# Altium PCB main_board.PcbDoc (part 1 of 2)
Units mil, origin at the board's own origin, x right, y up, seen from the top; angles counter-clockwise.
Board outline 11417.32 x 7421.26 mil, 2 copper layers (Top Layer, Bottom Layer); 174 components, 105 nets, 890 pads, 524 vias.
Unrouted connection lines stored in the file: 1.
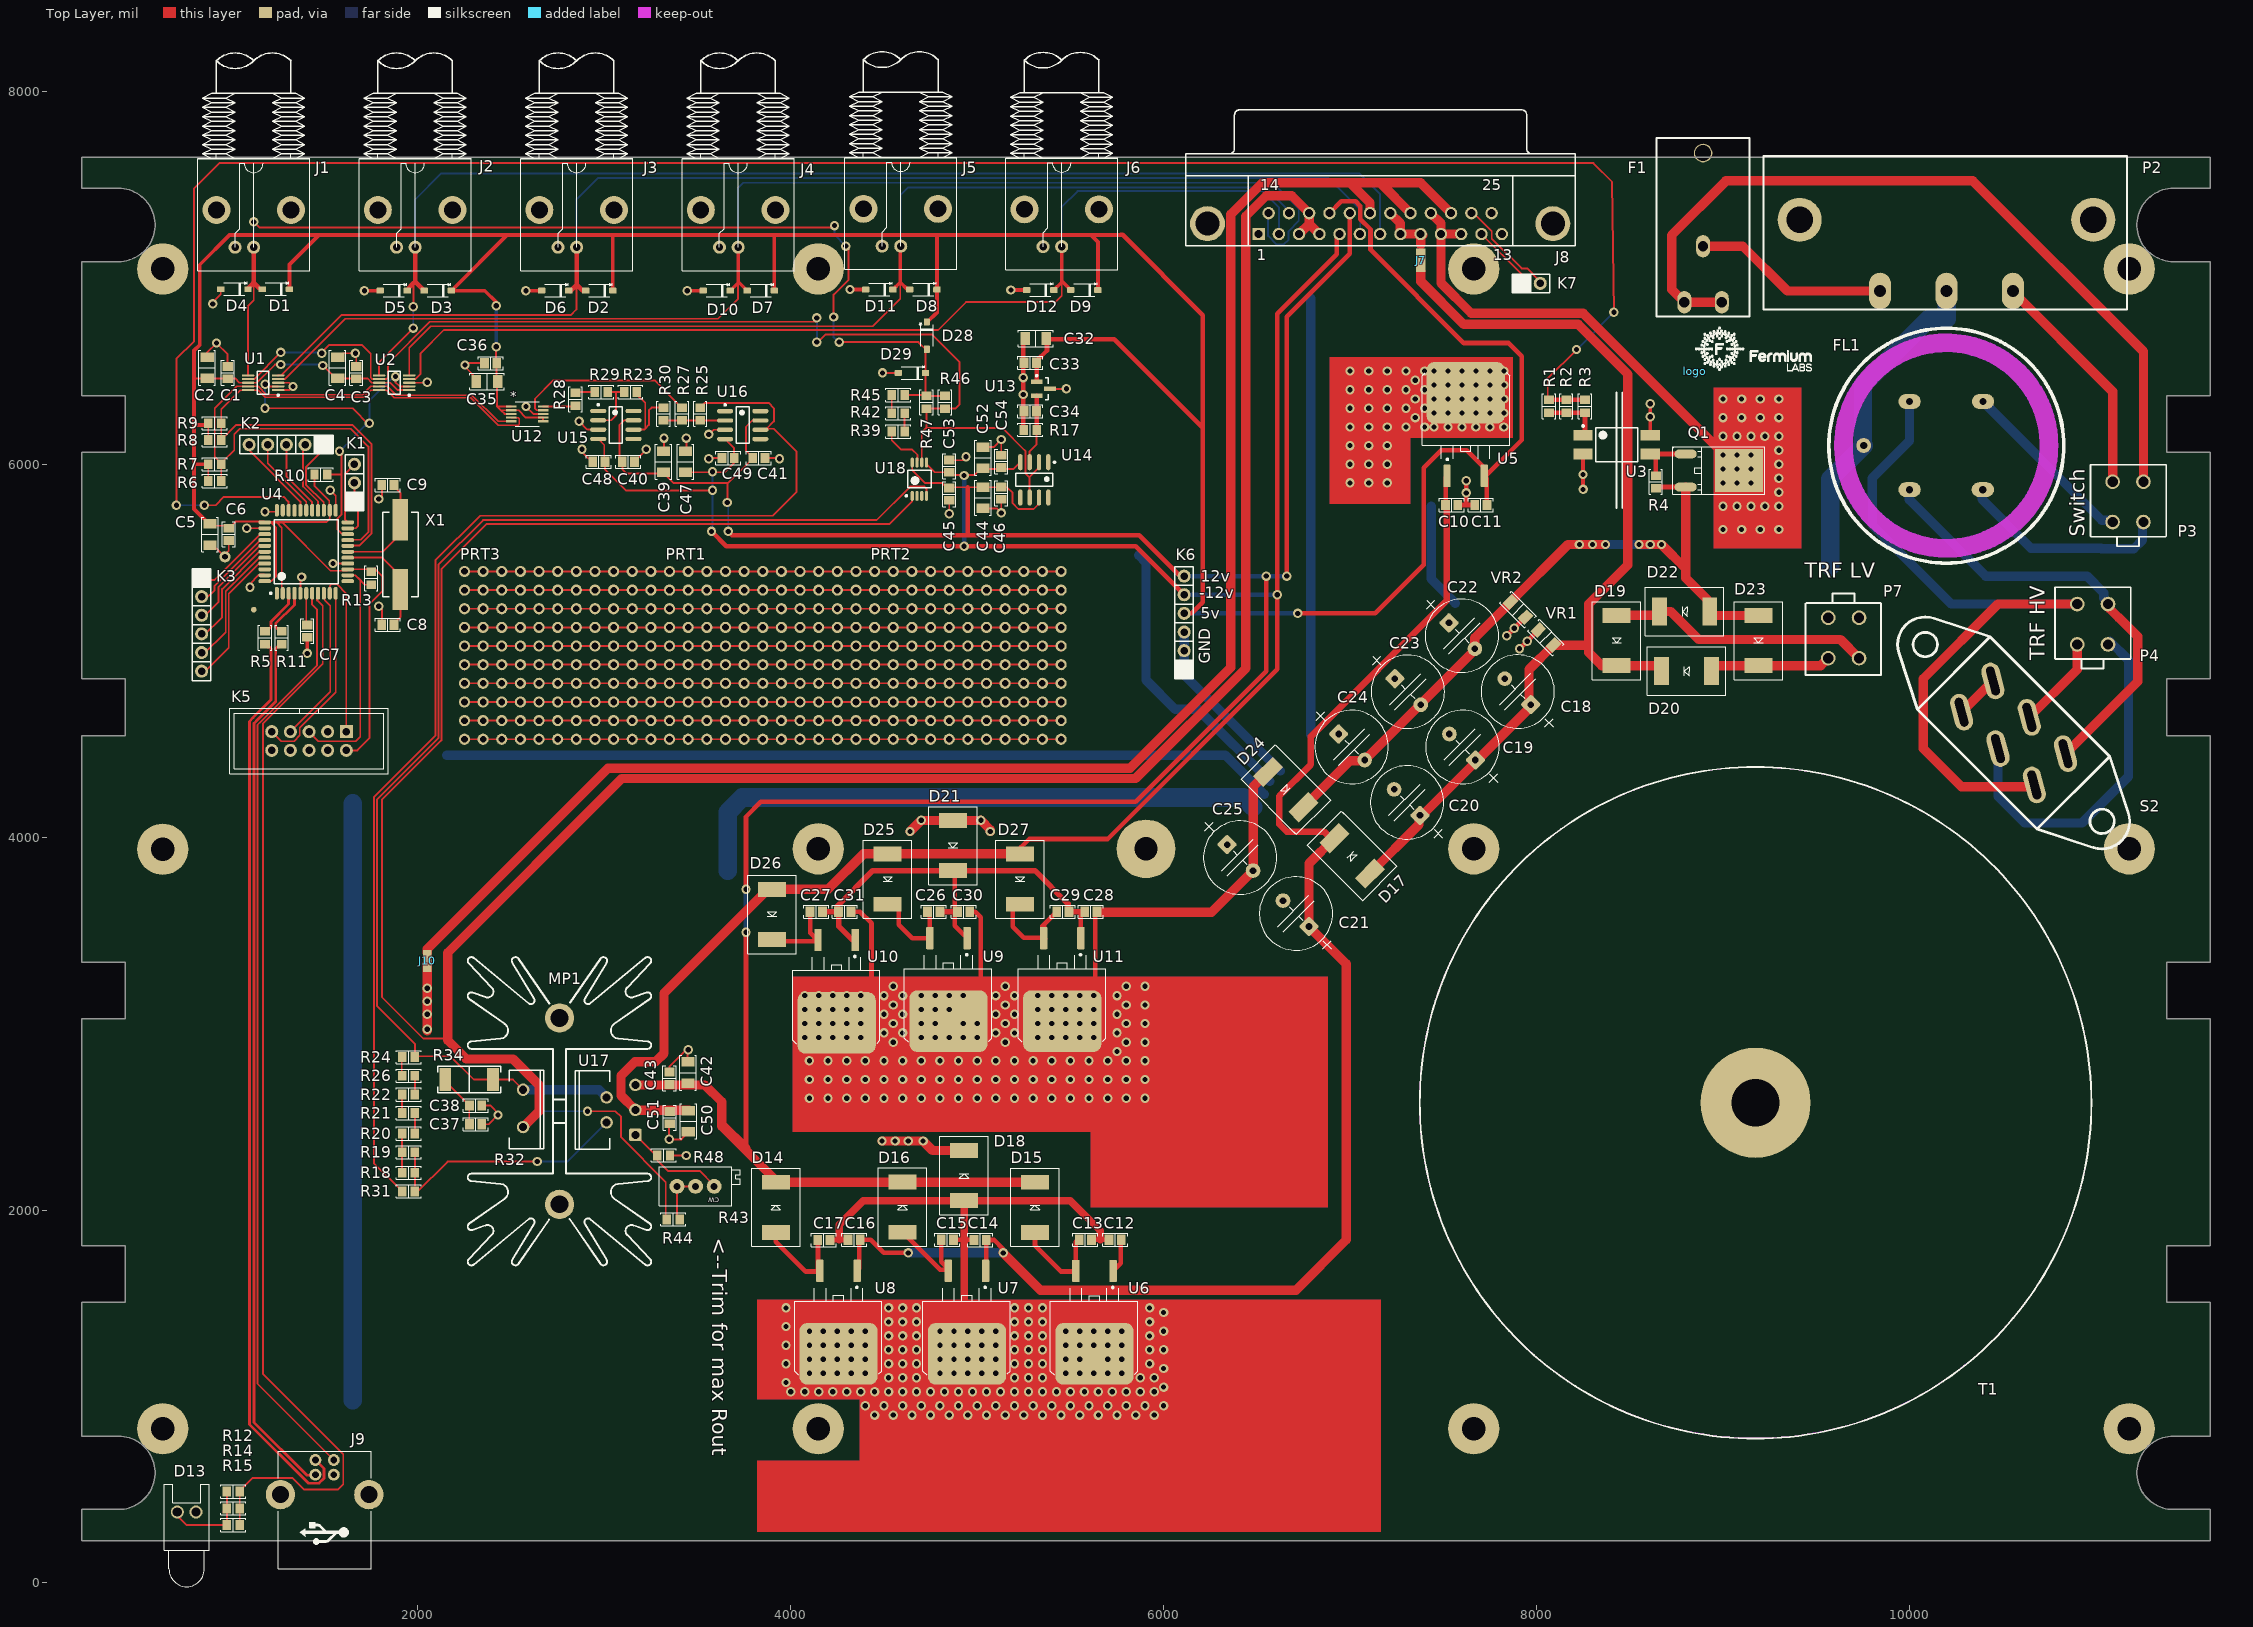
[diagram p0: Top Layer view]
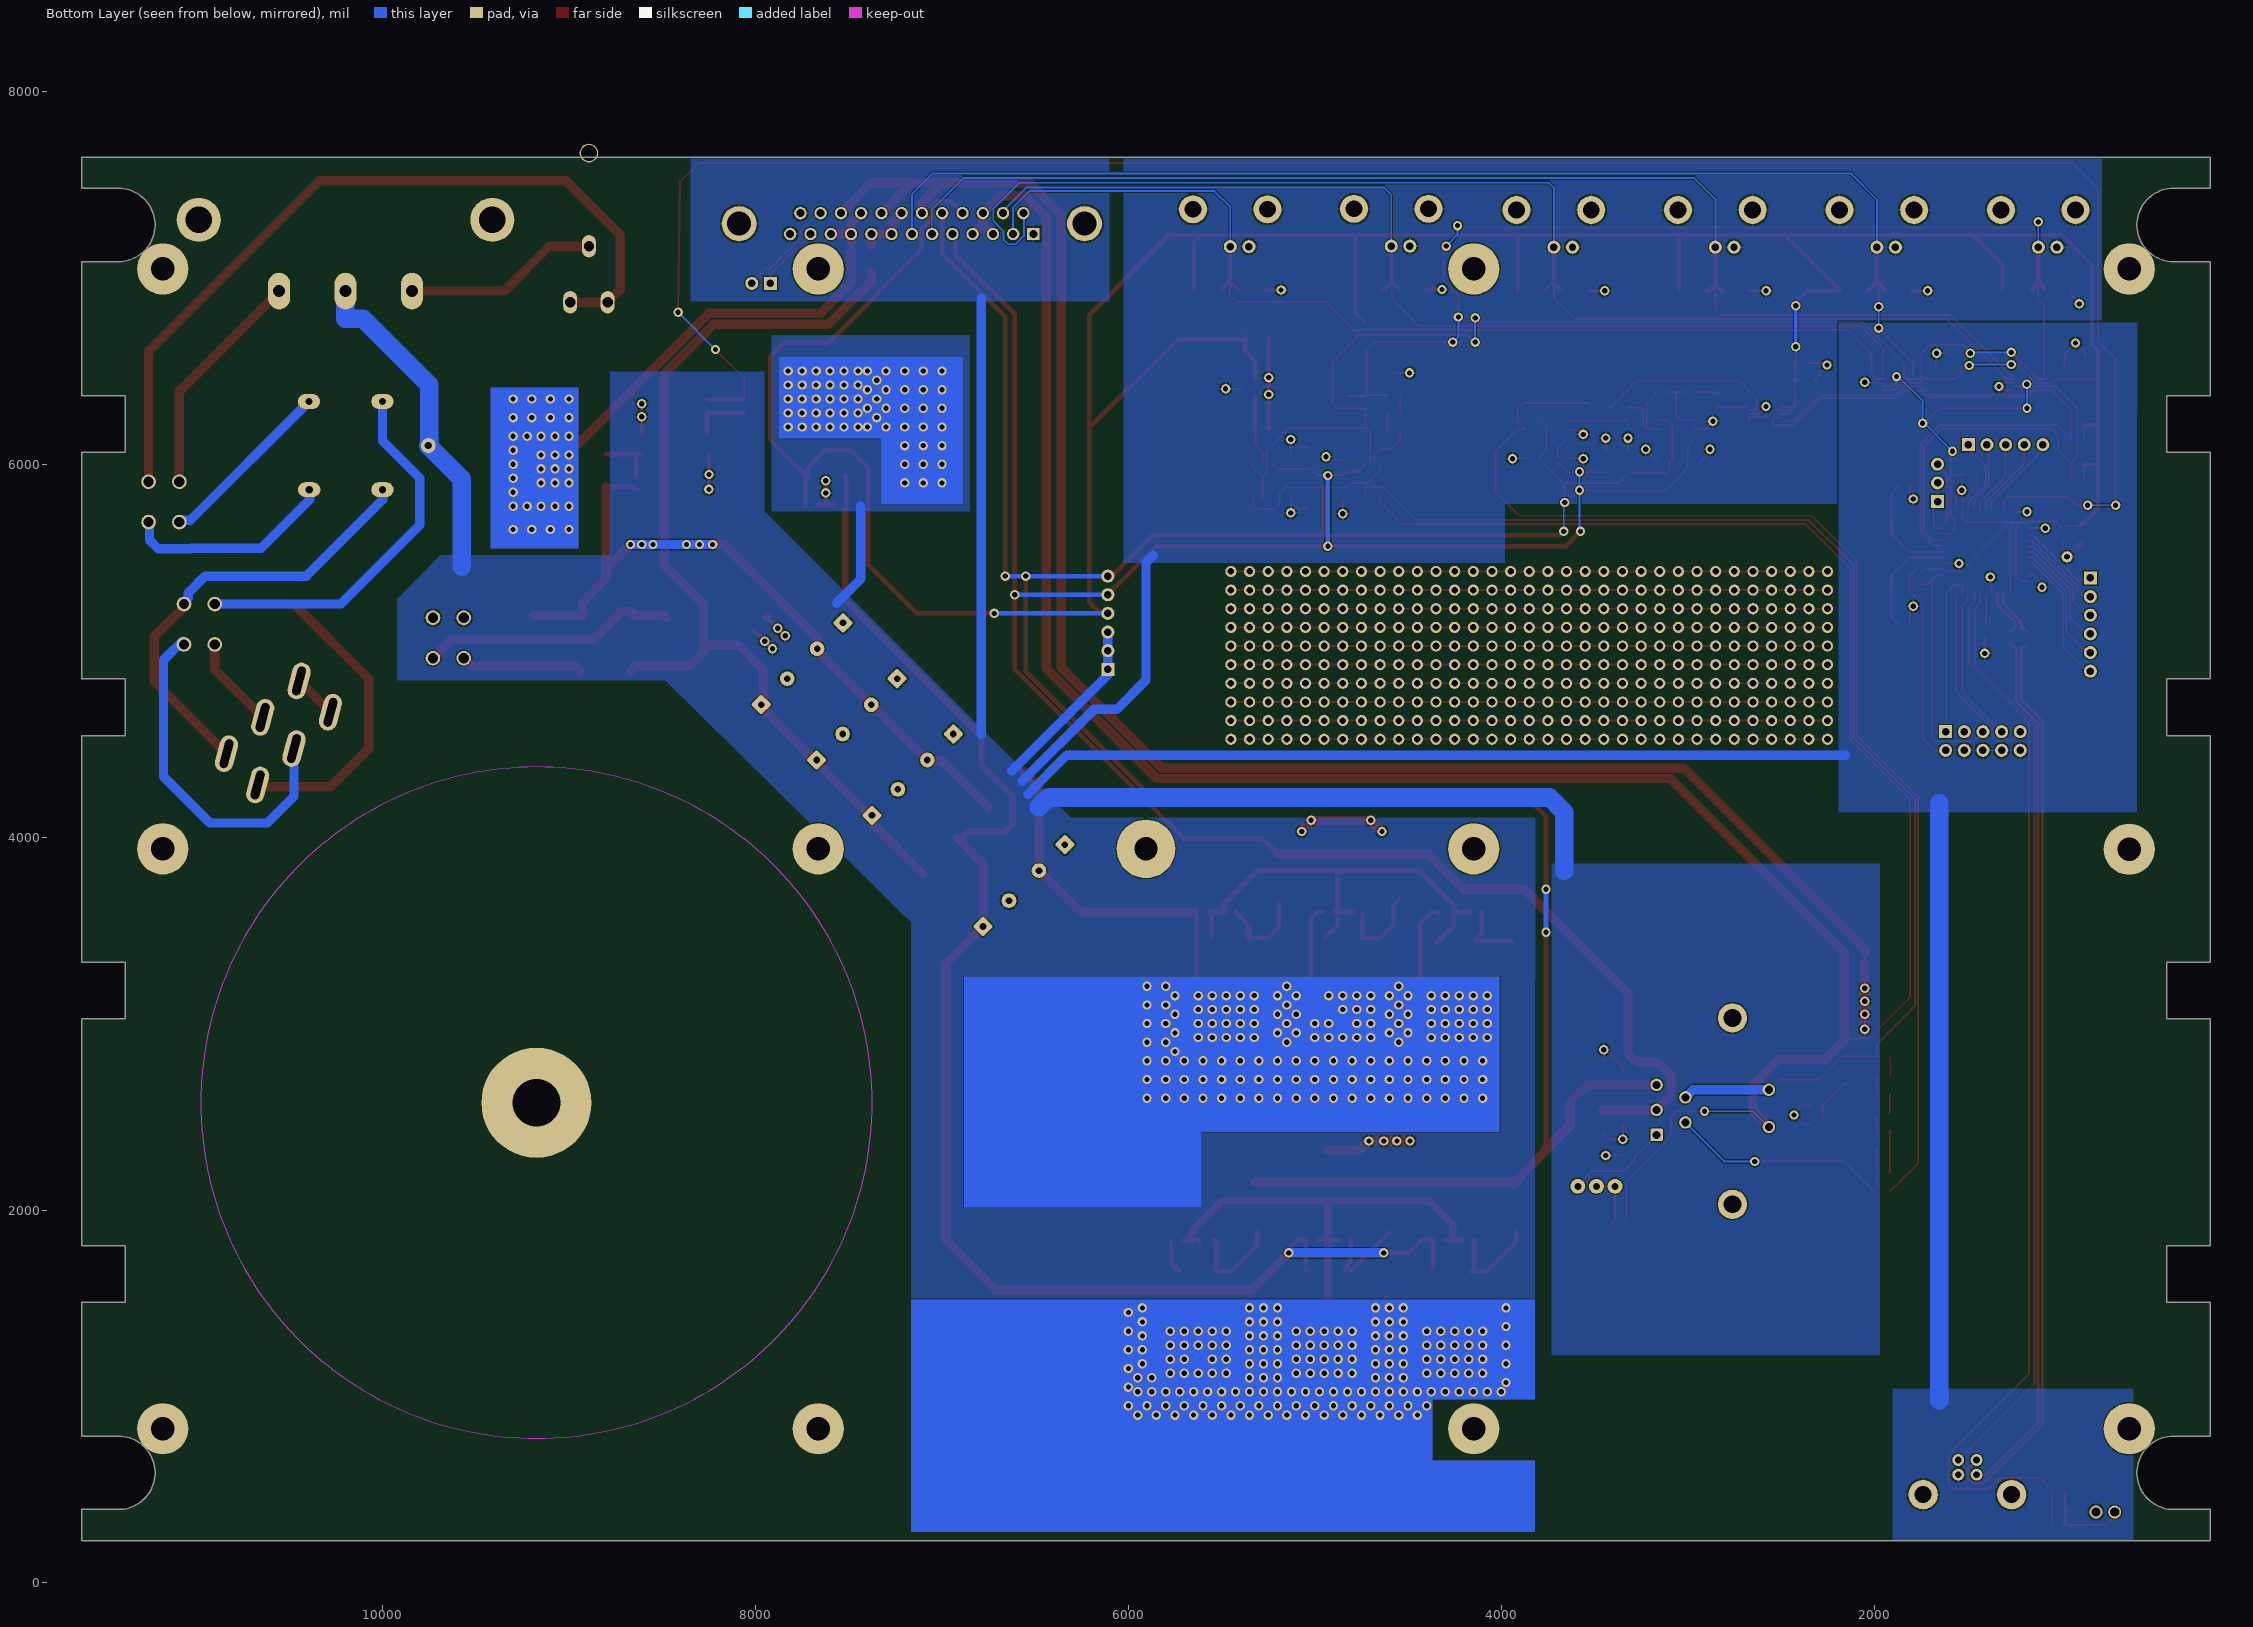
[diagram p1: Bottom Layer view, seen from below]
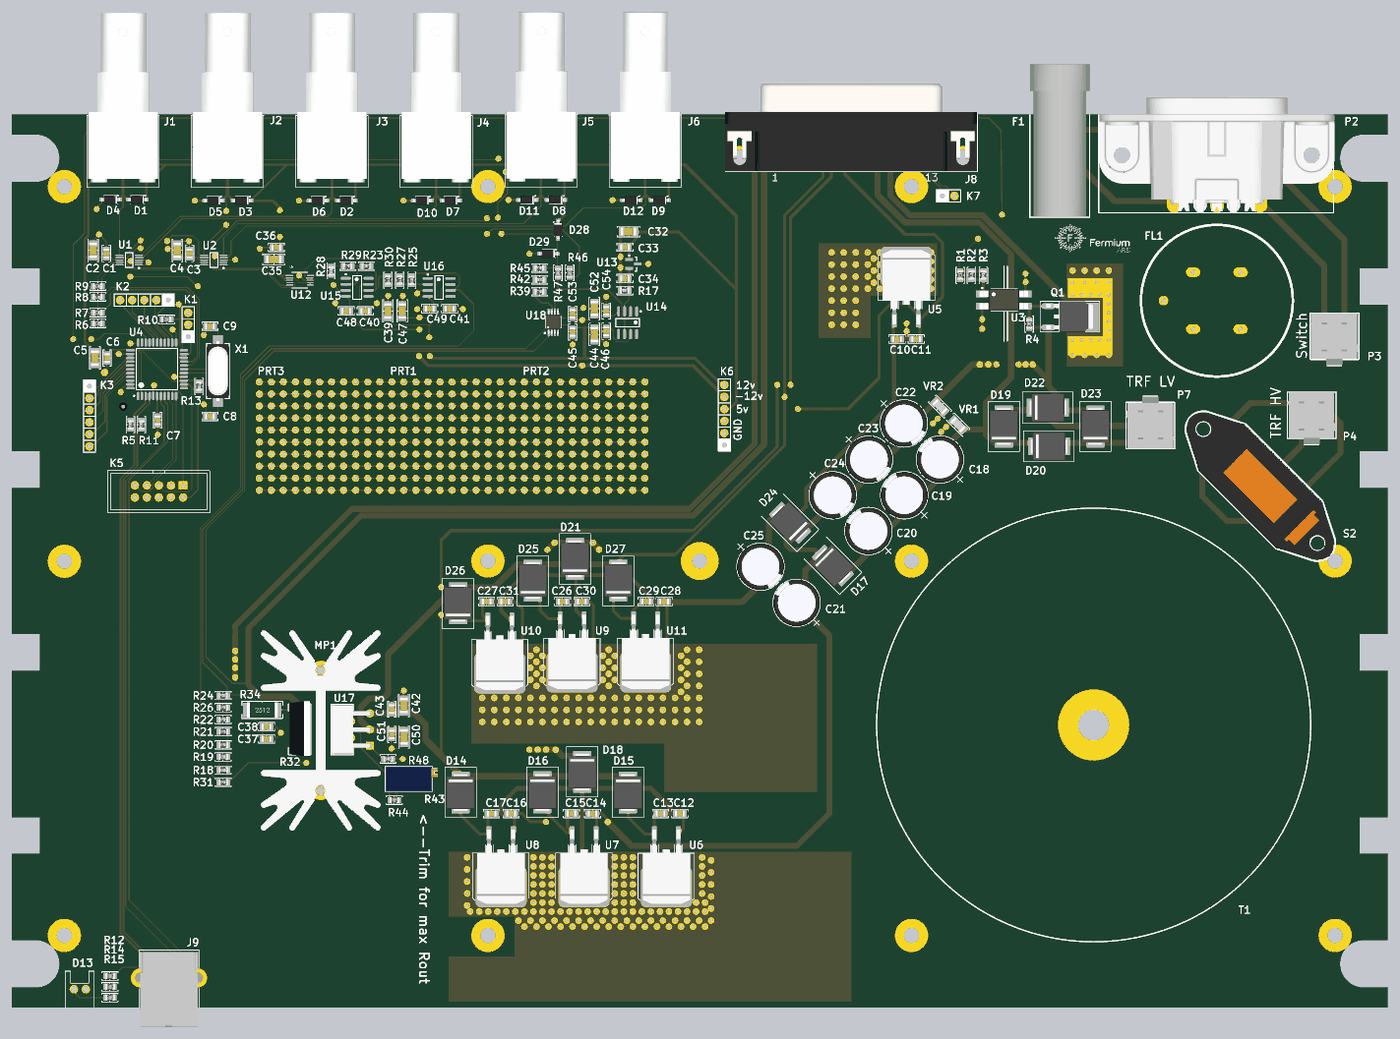
[diagram p3: 3D render of the assembled board from above, using the file's embedded part models]

## Layer stack, top to bottom
Top Solder: solder mask 0.4, Solder Resist, Dk 3.5
Top Layer: signal copper 1.4
Dielectric 1: dielectric 12.6, FR-4, Dk 4.8
Bottom Layer: signal copper 1.4
Bottom Solder: solder mask 0.4, Solder Resist, Dk 3.5

## Board outline
196.85,787.4 196.85,1505.48 429.99,1505.48 429.99,1809.49 196.85,1809.49 196.85,3025.16 429.99,3025.16 429.99,3329.17 196.85,3329.17 196.85,4544.85 429.99,4544.85 429.99,4848.86 196.85,4848.86 196.85,6064.53 429.99,6064.53 429.99,6368.54 196.85,6368.54 196.85,7086.61 393.7,7086.61 ccw(c393.7,7283.46) 393.7,7480.31 196.85,7480.31 196.85,7647.64 11614.17,7647.64 11614.17,7480.31 11417.32,7480.31 ccw(c11417.32,7283.46) 11417.32,7086.61 11614.17,7086.61 11614.17,6368.54 11381.03,6368.54 11381.03,6064.53 11614.17,6064.53 11614.17,4848.86 11381.03,4848.86 11381.03,4544.85 11614.17,4544.85 11614.17,3329.17 11381.03,3329.17 11381.03,3025.16 11614.17,3025.16 11614.17,1809.49 11381.03,1809.49 11381.03,1505.48 11614.17,1505.48 11614.17,787.4 11417.32,787.4 ccw(c11417.32,590.55) 11417.32,393.7 11614.17,393.7 11614.17,226.38 196.85,226.38 196.85,393.7 393.7,393.7 ccw(c393.7,590.55) 393.7,787.4

## Design rules (kind name [scope] priority, off if disabled: settings)
Clearance "Schematic Clearance Constraint_7" [InNet('NetFL1_1')] p1: gap=78.74 ignorepadtopadclearanceinfootprint=FALSE
Clearance "Schematic Clearance Constraint_6" [InNet('NetF1_1')] p2: gap=78.74 ignorepadtopadclearanceinfootprint=FALSE
Clearance "Schematic Clearance Constraint_5" [InNet('NetP4_3')] p3: gap=78.74 ignorepadtopadclearanceinfootprint=FALSE
Clearance "Schematic Clearance Constraint_4" [InNet('NetP4_4')] p4: gap=78.74 ignorepadtopadclearanceinfootprint=FALSE
Clearance "Schematic Clearance Constraint_3" [InNet('NetFL1_5')] p5: gap=78.74 ignorepadtopadclearanceinfootprint=FALSE
Clearance "Schematic Clearance Constraint_2" [InNet('NetFL1_2')] p6: gap=78.74 ignorepadtopadclearanceinfootprint=FALSE
Clearance "Schematic Clearance Constraint_1" [InNet('NetP2_3')] p7: gap=78.74 ignorepadtopadclearanceinfootprint=FALSE
Clearance "Schematic Clearance Constraint" [InNet('NetFL1_4')] p8: gap=78.74 ignorepadtopadclearanceinfootprint=FALSE
Clearance [All] p9: gap=6 ignorepadtopadclearanceinfootprint=FALSE
DiffPairsRouting [All] p1: maxlimit=10 minlimit=10 mostfreqgap=10 toplayer_minwidth=15 toplayer_maxwidth=15 toplayer_prefwidth=15 bottomlayer_minwidth=15 bottomlayer_maxwidth=15 bottomlayer_prefwidth=15 maxuncoupledlength=500
FanoutControl Fanout_LCC [All] p1 off: bgadir=Out bgaviamode=Centered fanoutstyle=Auto fanoutdirection=Alternating viagrid=1 // Protel DXP Scope 1 Expression Was: IsLCC   Fanout_LCC (Default Rule)
FanoutControl Fanout_BGA [All] p2 off: bgadir=Out bgaviamode=Centered fanoutstyle=Auto fanoutdirection=Alternating viagrid=1 // Protel DXP Scope 1 Expression Was: IsBGA   Fanout_BGA (Default Rule)
FanoutControl Fanout_SOIC [All] p3 off: bgadir=Out bgaviamode=Centered fanoutstyle=Auto fanoutdirection=Alternating viagrid=1 // Protel DXP Scope 1 Expression Was: IsSOIC   Fanout_SOIC (Default Rule)
FanoutControl Fanout_Default [All] p4: bgadir=Out bgaviamode=Centered fanoutstyle=Auto fanoutdirection=Alternating viagrid=1 // Fanout_Default (Default Rule)
FanoutControl Fanout_Small [All] p5 off: bgadir=Out bgaviamode=Centered fanoutstyle=Auto fanoutdirection=Alternating viagrid=1 // Protel DXP Scope 1 Expression Was: (CompPinCount < 5)   Fanout_Small (Default Rule)
Height [All] p1: minheight=0 maxheight=3937.01 prefheight=10
HoleSize [All] p1: absolutevalues=TRUE maxlimit=99999 minlimit=11.81 maxpercent=80.000 minpercent=20.000
MinimumSolderMaskSliver [All] p1: minsoldermaskwidth=7.87
PolygonConnect [All] p1: connectstyle=Relief reliefconductorwidth=10 reliefentries=4 polygonreliefangle="90 Angle" airgapwidth=10
RoutingVias [All] p1: holewidth=28 width=50 viastyle="Through Hole" minholewidth=28 minwidth=50 maxholewidth=28 maxwidth=50
SilkToSilkClearance [All] p1: silktosilkclearance=7.87
SilkToSolderMaskClearance [All] p1 off: minsilkscreentomaskgap=10 clearancetoexposedcopper=TRUE // Protel DXP Scope 1 Expression Was: IsPad
SolderMaskExpansion [All] p1: expansion=2
Width [All] p1: maxlimit=200 minlimit=6 preferedwidth=10
19 further rules are at their usual default settings.

## Classes and differential pairs
component class power_input: F1 FL1 MP1 P2 P3 P4 P7 P8 S1 S2 T1
component class main_board: J8 logo
component class cc_gen_and_heat_pwr: C32 C33 C34 C35 C36 C37 C38 C39 C40 C41 C42 C43 C44 C45 C46 C47 C48 C49 C50 C51 C52 C53 C54 D28 D29 J10 MP1 R17 R18 R19 R20 R21 R22 R23 R24 R25 R26 R27 R28 R29 R30 R31 R32 R34 R39 R42 R43 R44 R45 R46 R47 R48 R? Text U12 U13 U14 U15 U16 U17 U18
component class bncs: D1 D2 D3 D4 D5 D6 D7 D8 D9 D10 D11 D12 J1 J2 J3 J4 J5 J6
component class mcu: 10 C1 C2 C3 C4 C5 C6 C7 C8 C9 D13 J7 J9 K1 K2 K3 K5 Q1 R1 R2 R3 R4 R5 R6 R7 R8 R9 R10 R11 R12 R13 R14 R15 U1 U2 U3 U4 X1
component class power_supply: 45 C10 C11 C12 C13 C14 C15 C16 C17 C18 C19 C20 C21 C22 C23 C24 C25 C26 C27 C28 C29 C30 C31 D14 D15 D17 D18 D19 D20 D21 D22 D23 D24 D25 D26 D27 P8 S1 U5 U6 U7 U8 U9 U10 U11 U19 VR1 VR2
component class protoboard: K6 K7 PRT1 PRT2 PRT3
differential pair USBD: +USBD_P -USBD_N
differential pair XTAL: +XTAL_P -XTAL_N
differential pair D: +D_P -D_N

## Components (designator, comment, footprint, x,y, rotation, side; value= is the part's Value field where it differs from the comment)
C1 "" "CAP 0805/2012" 980,6491.5 r90 top
C2 "" "CAP 1206/3216" 870,6517.09 r90 top
C3 "" "CAP 0805/2012" 1670,6491.5 r90 top
C4 "" "CAP 1206/3216" 1570,6517.09 r90 top
C5 "" "CAP 1206/3216" 885.47,5623.5 r270 top
C6 "" "CAP 0805/2012" 985.47,5623.5 r270 top
C7 "" "CAP 0805/2012" 1406.5,5105.47 r90 top
C8 "" "CAP 0805/2012" 1839.76,5138.66 r180 top
C9 "" "CAP 0805/2012" 1839.76,5888.66 r180 top
C10 "" "CAP 0805/2012" 7544.29,5781.34 r0 top
C11 "" "CAP 0805/2012" 7701.77,5781.34 r180 top
C12 "" "CAP 0805/2012" 5740,1840 r180 top
C13 "" "CAP 0805/2012" 5580,1840 r0 top
C14 "" "CAP 0805/2012" 5015.79,1839.06 r180 top
C15 "" "CAP 0805/2012" 4840,1840 r0 top
C16 "" "CAP 0805/2012" 4340,1840 r180 top
C17 "" "CAP 0805/2012" 4177.83,1839.06 r0 top
C18 "" CAPE5.0mm 7899.6,4780.4 r135 top
C19 "" CAPE5.0mm 7602.61,4483.42 r135 top
C20 "" CAPE5.0mm 7305.63,4186.43 r135 top
C21 "" CAPE5.0mm 6710,3590 r135 top
C22 "" CAPE5.0mm 7600,5080 r315 top
C23 "" CAPE5.0mm 7310,4780 r315 top
C24 "" CAPE5.0mm 7008.64,4483.42 r315 top
C25 "" CAPE5.0mm 6410,3890 r315 top
C26 "" "CAP 0805/2012" 4767,3600 r180 top
C27 "" "CAP 0805/2012" 4137,3600 r180 top
C28 "" "CAP 0805/2012" 5610,3600 r0 top
C29 "" "CAP 0805/2012" 5460,3600 r180 top
C30 "" "CAP 0805/2012" 4927,3600 r0 top
C31 "" "CAP 0805/2012" 4290,3600 r0 top
C32 "" "CAP 1206/3216" 5314.63,6674.27 r180 top
C33 "" "CAP 0805/2012" 5284.63,6544.27 r180 top
C34 "" "CAP 0805/2012" 5284.63,6284.27 r180 top
C35 "Cap2" "CAP 1206/3216" 2370.94,6443.78 r180 top value=10uF
C36 "" "CAP 0805/2012" 2390.63,6542.2 r180 top
C37 "" "CAP 0805/2012" 2310,2460 r0 top
C38 "" "CAP 0805/2012" 2310,2560 r0 top
C39 "Cap2" "CAP 1206/3216" 3317.87,6013.78 r90 top value=10uF
C40 "" "CAP 0805/2012" 3128.9,6013.78 r0 top
C41 "" "CAP 0805/2012" 3829.69,6033.46 r0 top
C42 "Cap2" "CAP 1206/3216" 3449.5,2737 r90 top value=10uF
C43 "" "CAP 0805/2012" 3349.5,2707 r90 top
C44 "Cap2" "CAP 1206/3216" 5030.94,5819.84 r270 top value=10uF
C45 "" "CAP 0805/2012" 4850,5840 r270 top
C46 "" "CAP 0805/2012" 5129.37,5845.43 r270 top
C47 "Cap2" "CAP 1206/3216" 3435.98,6013.78 r270 top value=10uF
C48 "" "CAP 0805/2012" 2971.42,6013.78 r0 top
C49 "" "CAP 0805/2012" 3664.33,6033.46 r0 top
C50 "Cap2" "CAP 1206/3216" 3450.5,2476 r90 top value=10uF
C51 "" "CAP 0805/2012" 3350.5,2496 r90 top
C52 "Cap2" "CAP 1206/3216" 5030.94,6034.41 r270 top value=10uF
C53 "" "CAP 0805/2012" 4850,5990 r270 top
C54 "" "CAP 0805/2012" 5129.37,6014.72 r270 top
D1 "" SOD123 1238.27,6938.82 r180 top
D2 "" SOD123 2973.07,6931.02 r180 top
D3 "" SOD123 2106.93,6931.02 r180 top
D4 "" SOD123 1015.83,6938.82 r180 top
D5 "" SOD123 1870.71,6931.02 r180 top
D6 "" SOD123 2736.85,6931.02 r180 top
D7 "" SOD123 3839.21,6931.02 r180 top
D8 "" SOD123 4711.26,6936.93 r180 top
D9 "" SOD123 5574.65,6934.17 r180 top
D10 "" SOD123 3602.99,6931.02 r180 top
D11 "" SOD123 4475.04,6936.93 r180 top
D12 "" SOD123 5338.42,6934.17 r180 top
D13 "" LED-0 760,380 r0 top
D14 "" DIODE-SMC 3920,1860.32 r270 top
D15 "" DIODE-SMC 5310,1860.32 r270 top
D16 "" DIODE-SMC 4600,1861.26 r270 top
D17 "" DIODE-SMC 7120,3790 r315 top
D18 "" DIODE-SMC 4930,2030.32 r270 top
D19 "" DIODE-SMC 8430,5208.74 r90 top
D20 "" DIODE-SMC 8958.74,4890 r0 top
D21 "" DIODE-SMC 4870,4108.74 r90 top
D22 "" DIODE-SMC 8948.74,5210 r0 top
D23 "" DIODE-SMC 9190,5208.74 r90 top
D24 "" DIODE-SMC 6545.83,4364.17 r135 top
D25 "" DIODE-SMC 4520,3928.74 r90 top
D26 "" DIODE-SMC 3900,3739.68 r90 top
D27 "" DIODE-SMC 5230,3928.74 r90 top
D28 "" SOD123 4730,6690 r270 top
D29 "" SOD123 4650,6490 r180 top
F1 "" FPG5-3101-0050 8675,6800 r0 top
FL1 "" FM412-2 10200,6100 r180 top
J1 "" BNC-RA 1319.53,7364.09 r0 top
J2 "" BNC-RA 2185.67,7364.09 r0 top
J3 "" BNC-RA 3051.81,7364.09 r0 top
J4 "" BNC-RA 3917.95,7364.09 r0 top
J5 "" BNC-RA 4790,7370 r0 top
J6 "" BNC-RA 5653.39,7367.24 r0 top
J7 "2 way net tie junction" 2way_LP#1 7380,7094 r270 top net-tie
J8 "" DB25 6509.21,7234.72 r0 top
J9 "" USB_TypeB 1500,620 r180 top
J10 "2 way net tie junction" 2way_LP#2 2050,3336 r90 top net-tie
K1 "HEADER-1X3" HEADER-1X3 1660,5800 r180 top
K2 "HEADER-1X5" HEADER-1X5 1495,6105 r270 top
K3 "HEADER-1X6" HEADER-1X6 840,5390 r0 top
K5 "" IDC10-B 1616.5,4565.47 r180 top
K6 "HEADER-1X6" HEADER-1X6 6110,4900 r180 top
K7 "HEADER-1X2" HEADER-1X2 7920,6970 r90 top
logo "" frm-med 8850,6500 r0 top
MP1 "" SK129-50STS 2759.5,2527 r90 top
P2 "" GSP1-8101-1 9842.52,6929.13 r0 top
P3 "" MOLEX-039281043 11255.35,5906.54 r180 top
P4 "" MOLEX-039281043 11065.35,5250 r180 top
P7 "" MOLEX-039281043 9564.65,4960 r0 top
PRT1 "protoboard-1inch" protoboard-1inch 3350,4425 r0 top
PRT2 "protoboard-1inch" protoboard-1inch 4450,4425 r0 top
PRT3 "protoboard-1inch" protoboard-1inch 2250,4425 r0 top
Q1 "IRF640" DPAK-GDS 8799.88,6055 r0 top
R1 "" "RES 0805/2012" 8066.48,6310.55 r90 top
R2 "" "RES 0805/2012" 8159.88,6310.81 r90 top
R3 "" "RES 0805/2012" 8259.88,6310.81 r90 top
R4 "" "RES 0805/2012" 8639.88,5905 r90 top
R5 "" "RES 0805/2012" 1180,5070 r270 top
R6 "" "RES 0805/2012" 910,5910 r180 top
R7 "" "RES 0805/2012" 910,6000 r180 top
R8 "" "RES 0805/2012" 910,6130 r180 top
R9 "" "RES 0805/2012" 910,6220 r180 top
R10 "" "RES 0805/2012" 1480,5945 r180 top
R11 "" "RES 0805/2012" 1270,5070 r270 top
R12 "" "RES 0805/2012" 1010,490 r0 top
R13 "Res1" "RES 0805/2012" 1750,5388.98 r90 top
R14 "" "RES 0805/2012" 1010,400 r0 top
R15 "" "RES 0805/2012" 1010,310 r0 top
R17 "" "RES 0805/2012" 5284.63,6184.27 r180 top
R18 "" "RES 0805/2012" 1950,2200 r0 top
R19 "" "RES 0805/2012" 1950,2310 r0 top
R20 "" "RES 0805/2012" 1950,2410 r0 top
R21 "" "RES 0805/2012" 1950,2520 r0 top
R22 "" "RES 0805/2012" 1950,2620 r0 top
R23 "" "RES 0805/2012" 3140.71,6387.8 r180 top
R24 "" "RES 0805/2012" 1950,2820 r180 top
R25 "" "RES 0805/2012" 3514.72,6269.69 r270 top
R26 "" "RES 0805/2012" 1950,2720 r0 top
R27 "" "RES 0805/2012" 3416.3,6269.69 r90 top
R28 "" "RES 0805/2012" 2845.43,6348.43 r270 top
R29 "" "RES 0805/2012" 2983.23,6387.8 r180 top
R30 "" "RES 0805/2012" 3317.87,6269.69 r90 top
R31 "" "RES 0805/2012" 1950,2100 r0 top
R32 "" TO220-2PIN 2565,2542 r270 top
R34 "" "STACKPOLE CSRN2512" 2275,2700 r0 top
R39 "" "RES 0805/2012" 4576.18,6175.04 r180 top
R42 "" "RES 0805/2012" 4576.18,6273.46 r0 top
R43 "Multiturn" trimmer-multiturn 3589.5,2127 r180 top
R44 "" "RES 0805/2012" 3370,1950 r0 top
R45 "" "RES 0805/2012" 4576.18,6371.89 r180 top
R46 "" "RES 0805/2012" 4827.17,6332.52 r270 top
R47 "" "RES 0805/2012" 4728.74,6332.52 r270 top
R48 "" "RES 0805/2012" 3318,2293 r0 top
S2 "" T22205B 10280.11,4669.89 r315 top
T1 "toroidal_transformer" MCTA060 9175,2575 r0 top
U1 "" TI-DGS10_N 1170,6437.09 r180 top
U2 "" TI-DGS10_N 1872.91,6437.09 r180 top
U3 "LTV-817" gullwing-opto-4 8429.88,6105 r0 top
U4 "" 44ML_N 1401.5,5530.47 r90 top
U5 "" D2PAK-3 7620,6160 r270 top
U6 "" D2PAK-3 5629.09,1450.71 r90 top
U7 "" D2PAK-3 4944.92,1451.32 r90 top
U8 "" D2PAK-3 4256.57,1451.32 r90 top
U9 "" D2PAK-3 4846.3,3235.85 r90 top
U10 "" D2PAK-3 4246.3,3225.85 r90 top
U11 "" D2PAK-3 5456.3,3235.85 r90 top
U12 "" 21-0061L 2586.44,6270 r0 top value=Value
U13 "" TI-DBZ3_N 5354.63,6404.27 r0 top
U14 "" TI-D8_N 5306.54,5916.3 r270 top
U15 "" TI-D8_N 3061.97,6210.63 r0 top
U16 "" TI-D8_N 3742.48,6209.84 r0 top
U17 "" TO-220-5 3089.58,2537.08 r90 top
U18 "" "MSOP_MO-187-AA AD8220" 4690,5920 r90 top
VR1 "" "CAP 1206/3216 - 1.8MM" 8050,5070 r135 top
VR2 "" "CAP 1206/3216 - 1.8MM" 7900,5220 r135 top